# KiCad board k410t-devboard.kicad_pcb (continued)
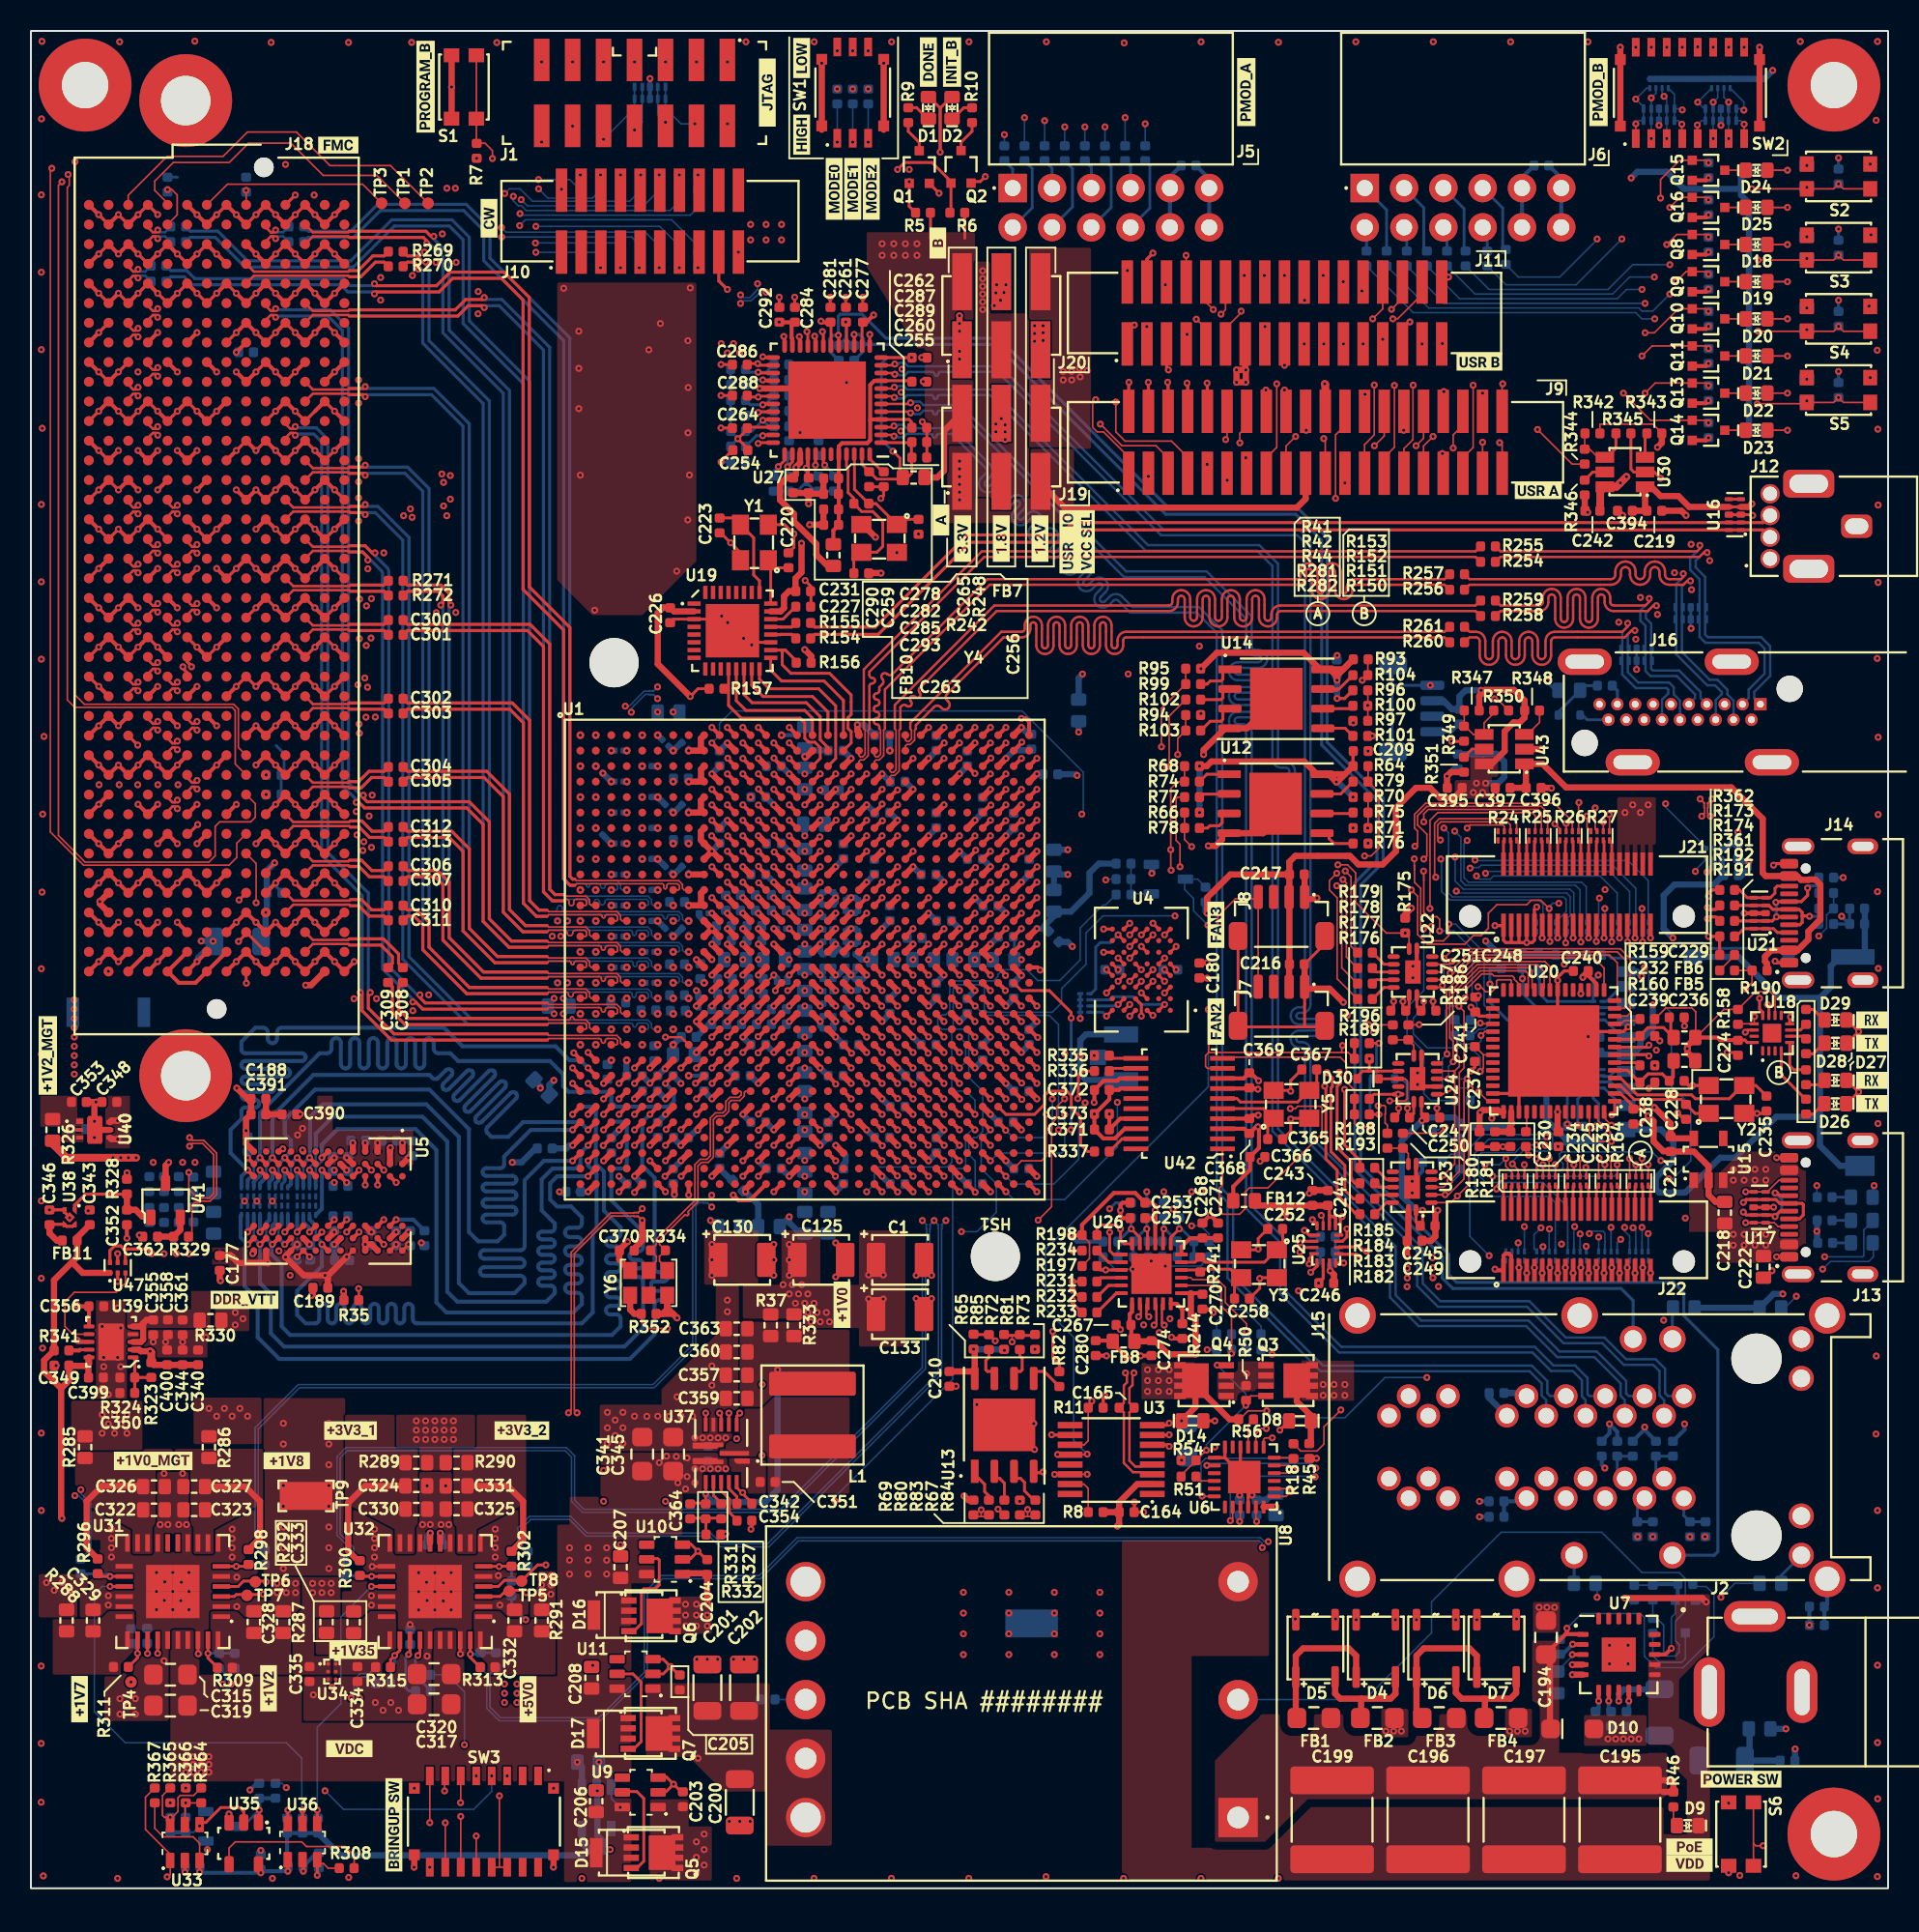
[diagram p0: board, top side]
## Library data of the parts (continued)
R36 R132 R133 = -: Description: Fixed Network Resistor, 10 kohm, Isolated, 4 Resistors, 0502 [1406 Metric], Flat, ± 5%; Author: Antmicro; License: Apache-2.0; MPN: EXB-18V103JX; Manufacturer: Panasonic; Val: 4x10k_0201
R37 R285-R292 R326 R330 R333 = -: Description: SMD Chip Resistor; Author: Antmicro; License: Apache-2.0; MPN: PMR03EZPJ000; Manufacturer: ROHM Semiconductor; Max. Curr.: 22.4A; Tolerance: template_tolerance; Val: 0R
R38 R50 R168 R264 R341 R353-R360 = -: Description: SMD Chip Resistor, 100 kohm, ± 1%, 62.5 mW, 0402 [1005 Metric], Thick Film, General Purpose; Author: Antmicro; License: Apache-2.0; MPN: CR0402-FX-1003GLF; Manufacturer: Bourns; Tolerance: 1%; Val: 100k
R39 R181 R187 R295 R297 R299 R301 R303-R307 R310 R312 R314 R316 R317 R319 R320 R342 R347 R363-R366 = -: Description: SMD Chip Resistor, Jumper, 0 ohm, 100 mW, 0402 [1005 Metric], Thick Film, General Purpose; Author: Antmicro; Current: 1A; DNP: DNP; License: Apache-2.0; MPN: ERJ2GE0R00X; Manufacturer: Panasonic; Val: 0R
R40 R43 = -: Description: SMD Chip Resistor, Ceramic, 40.2 ohm, ± 1%, 62.5 mW, 0402 [1005 Metric], Thick Film; Author: Antmicro; License: Apache-2.0; MPN: CR0402-FX-40R2GLF; Manufacturer: Bourns; Tolerance: 1%; Val: 40R2
R45 R56-R59 R106-R111 R128-R131 R198 R240 R338 = -: Description: SMD Chip Resistor, 1 kohm, ± 1%, 63 mW, 0402 [1005 Metric], Thick Film, General Purpose; Author: Antmicro; License: Apache-2.0; MPN: CR0402-FX-1001GLF; Manufacturer: Bourns; Tolerance: 1%; Val: 1k
R46 R166 R175 R284 R293 R294 R318 R321 R322 R367 = -: Description: SMD Chip Resistor, 47 kohm, ± 1%, 62.5 mW, 0402 [1005 Metric], Thick Film, General Purpose; Author: Antmicro; License: Apache-2.0; MPN: CR0402-FX-4702GLF; Manufacturer: Bourns; Tolerance: 1%; Val: 47k
R47 = -: Description: SMT Chip Resistor, 1.3 kohm, ± 1%, 250 mW, 1206 [3216 Metric], Thick Film, General Purpose; Author: Antmicro; License: Apache-2.0; MPN: CR1206-JW-132ELF; Manufacturer: Bourns; Tolerance: 1%; Val: 1k3
R48 = -: Description: SMD Chip Resistor, 49.9 kohm, ± 1%, 63 mW, 0402 [1005 Metric], Thick Film, General Purpose; Author: Antmicro; License: Apache-2.0; MPN: CR0402-FX-4992GLF; Manufacturer: Bourns; Tolerance: 1%; Val: 49k9
R51 = -: Description: SMD Chip Resistor, 22 kohm, ± 1%, 62.5 mW, 0402 [1005 Metric], Thick Film, General Purpose; Author: Antmicro; License: Apache-2.0; MPN: CR0402-FX-2202GLF; Manufacturer: Bourns; Tolerance: 1%; Val: 22k
R52 = -: Description: SMD Chip Resistor; Author: Antmicro; License: Apache-2.0; MPN: CR0603-FX-63R4ELF; Manufacturer: Bourns; Tolerance: 1%; Val: 63R4
R53 = -: Description: SMD Chip Resistor, 1.2 kohm, ± 1%, 62.5 mW, 0402 [1005 Metric], Thick Film, General Purpose; Author: Antmicro; License: Apache-2.0; MPN: CR0402-FX-1201GLF; Manufacturer: Bourns; Tolerance: 1%; Val: 1k2
R55 = -: Description: SMD Chip Resistor, 24.9 kohm, ± 1%, 63 mW, 0402 [1005 Metric], Thick Film, General Purpose; Author: Antmicro; License: Apache-2.0; MPN: CR0402-FX-2492GLF; Manufacturer: Bourns; Tolerance: 1%; Val: 24k9
R70-R73 R96 R97 = -: Description: SMD Chip Resistor, 100 ohm, ± 1%, 62.5 mW, 0402 [1005 Metric], Thick Film, General Purpose; Author: Antmicro; DNP: DNP; License: Apache-2.0; MPN: CR0402-FX-1000GLF; Manufacturer: Bourns; Tolerance: 1%; Val: 100R
R154 R155 R161-R164 R173 R174 R176-R179 R182-R185 R269-R276 = -: Description: SMD Chip Resistor, 33 ohm, ± 1%, 62.5 mW, 0402 [1005 Metric], Thick Film, General Purpose; Author: Antmicro; License: Apache-2.0; MPN: CR0402-FX-33R0GLF; Manufacturer: Bourns; Tolerance: 1%; Val: 33R
R160 R244 R248 R346 = -: Description: SMD Chip Resistor, 12 kohm, ± 1%, 62.5 mW, 0402 [1005 Metric], Thick Film, General Purpose; Author: Antmicro; License: Apache-2.0; MPN: CR0402-FX-1202GLF; Manufacturer: Bourns; Tolerance: 1%; Val: 12k
R169 R170 = -: Description: SMD Chip Resistor, 15 kohm, ± 1%, 62.5 mW, 0402 [1005 Metric], Thick Film, General Purpose; Author: Antmicro; DNP: DNP; License: Apache-2.0; MPN: CR0402-FX-1502GLF; Manufacturer: Bourns; Tolerance: 1%; Val: 15k
R171 = -: Description: SMD Chip Resistor, 1.5 kohm, ± 1%, 62.5 mW, 0402 [1005 Metric], Thick Film, General Purpose; Author: Antmicro; License: Apache-2.0; MPN: CR0402-FX-1501GLF; Manufacturer: Bourns; Tolerance: 1%; Val: 1k5
R172 = -: Description: SMD Chip Resistor, 1.5 kohm, ± 1%, 62.5 mW, 0402 [1005 Metric], Thick Film, General Purpose; Author: Antmicro; DNP: DNP; License: Apache-2.0; MPN: CR0402-FX-1501GLF; Manufacturer: Bourns; Tolerance: 1%; Val: 1k5
R193 R196 R267 R268 R325 = -: Description: SMD Chip Resistor, 4.7 kohm, ± 1%, 62.5 mW, 0402 [1005 Metric], Thick Film, General Purpose; Author: Antmicro; License: Apache-2.0; MPN: CR0402-FX-4701GLF; Manufacturer: Bourns; Tolerance: 1%; Val: 4k7
R209 R210 R214-R216 R218 R225-R228 = -: Description: SMD Chip Resistor, 2.2 kohm, ± 1%, 62.5 mW, 0402 [1005 Metric], Thick Film, General Purpose; Author: Antmicro; DNP: DNP; License: Apache-2.0; MPN: CR0402-FX-2201GLF; Manufacturer: Bourns; Tolerance: 1%; Val: 2k2
R211-R213 R217 R229 R230 R351 = -: Description: SMD Chip Resistor, 2.2 kohm, ± 1%, 62.5 mW, 0402 [1005 Metric], Thick Film, General Purpose; Author: Antmicro; License: Apache-2.0; MPN: CR0402-FX-2201GLF; Manufacturer: Bourns; Tolerance: 1%; Val: 2k2
R231-R238 R246 = -: Description: SMD Chip Resistor, 10 ohm, ± 1%, 62.5 mW, 0402 [1005 Metric], Thick Film, General Purpose; Author: Antmicro; License: Apache-2.0; MPN: CR0402-FX-10R0GLF; Manufacturer: Bourns; Tolerance: 1%; Val: 10R
R241 R242 = -: Description: SMD Chip Resistor, 1 Mohm, ± 1%, 62.5 mW, 0402 [1005 Metric], Thick Film, General Purpose; Author: Antmicro; License: Apache-2.0; MPN: CR0402-FX-1004GLF; Manufacturer: Bourns; Tolerance: 1%; Val: 1M
R245 R247 R249 R250 = -: Description: SMD Chip Resistor, 49.9 ohm, ± 1%, 62.5 mW, 0402 [1005 Metric], Thick Film, General Purpose; Author: Antmicro; License: Apache-2.0; MPN: CR0402-FX-49R9GLF; Manufacturer: Bourns; Tolerance: 1%; Val: 49R9
R251 R252 R262 R263 = -: Description: SMD Chip Resistor, 220 ohm, ± 1%, 100 mW, 0603 [1608 Metric], Thick Film, General Purpose; Author: Antmicro; License: Apache-2.0; MPN: CR0603-FX-2200ELF; Manufacturer: Bourns; Tolerance: 1%; Val: 220R
R277 = -: Description: SMD Chip Resistor, 100 kohm, ± 1%, 62.5 mW, 0402 [1005 Metric], Thick Film, General Purpose; Author: Antmicro; DNP: DNP; License: Apache-2.0; MPN: CR0402-FX-1003GLF; Manufacturer: Bourns; Tolerance: 1%; Val: 100k
R283 = -: Description: SMD Chip Resistor, 47 kohm, ± 1%, 62.5 mW, 0402 [1005 Metric], Thick Film, General Purpose; Author: Antmicro; DNP: DNP; License: Apache-2.0; MPN: CR0402-FX-4702GLF; Manufacturer: Bourns; Tolerance: 1%; Val: 47k
R331 = -: Description: SMD Chip Resistor, 80.6 kohm, ± 1%, 100 mW, 0402 [1005 Metric], Thick Film, Precision; Author: Antmicro; License: Apache-2.0; MPN: CR0402-FX-8062GLF; Manufacturer: Bourns; Tolerance: 1%; Val: 80k6
R332 = -: Description: SMD Chip Resistor; Author: Antmicro; License: Apache-2.0; MPN: CR0402-FX-2053GLF; Manufacturer: Bourns; Tolerance: 1%; Val: 205k
R335-R337 = -: Description: SMD Chip Resistor, 22 ohm, ± 1%, 62.5 mW, 0402 [1005 Metric], Thick Film, General Purpose; Author: Antmicro; License: Apache-2.0; MPN: CR0402-FX-22R0GLF; Manufacturer: Bourns; Tolerance: 1%; Val: 22R
R339 R340 = -: Description: SMD Chip Resistor, 80.6 ohm, ± 1%, 62.5 mW, 0402 [1005 Metric], Thick Film, General Purpose; Author: Antmicro; License: Apache-2.0; MPN: MC00625W0402180R6; Manufacturer: Multicomp Pro; Tolerance: 1%; Val: 80R6
R361 R362 = -: Description: SMD Chip Resistor, 5.1 kohm, ± 1%, 63 mW, 0402 [1005 Metric], Thick Film, General Purpose; Author: Antmicro; License: Apache-2.0; MPN: CR0402-FX-5101GLF; Manufacturer: Bourns; Tolerance: 1%; Val: 5k1
S1-S6 = -: Description: Tactile Switch, KMR 2 Series, Top Actuated, Surface Mount, Oval Button, 120 gf, 50mA at 32VDC; Author: Antmicro; License: Apache-2.0; MPN: KMR211NGLFS; Manufacturer: C&K
SW1 = -: Description: Slide switch; Author: Antmicro; License: Apache-2.0; Manufacturer: Nidec Components
SW2 SW3 = -: Description: DIP / SIP Switch, 8 Circuits, Slide, Surface Mount, SPST, 6 V, 100 mA; Author: Antmicro; License: Apache-2.0; MPN: CVS-08TB; Manufacturer: Nidec Components
TP1-TP8 = -: Description: SMT test point; Author: Antmicro; License: Apache-2.0
TP9 TP10 = -: Description: Circuit Probe Pad, SMD, Test Point, 1206; Author: Antmicro; License: Apache-2.0; MPN: RCW-0C; Manufacturer: TE Connectivity
U1 = -: Description: FPGA, Kintex-7, MMCM, PLL, 350 I/O's, 710 MHz, 406720 Cells, 970 mV to 1.03 V, FCBGA-900; Author: Antmicro; License: Apache-2.0; Manufacturer: AMD-Xilinx
U2 U16 U17 U21 U28 U29 U45 U46 = -: Description: ESD protection; Author: Antmicro; License: Apache-2.0; Manufacturer: Texas Instruments
U3 = -: Description: Temperature sensor; Author: Antmicro; License: Apache-2.0; Manufacturer: Maxim Integrated Products
U4 = -: Description: SRAM, Asynchronous SRAM, 8 Mbit, TFBGA, 48 Pins, 2.7 V; Author: Antmicro; License: Apache-2.0; Manufacturer: Alliance Memory
U5 = -: Description: SDRAM - DDR3L Memory IC 4Gbit Parallel 933 MHz 20 ns 78-FBGA (8x10.5); Author: Antmicro; License: Apache-2.0; MPN: MT41K512M8DA-107 XIT:P TR; Manufacturer: Micron Technology
U6 = -: Description: USB Controller USB 2.0 I2C Interface 24-QFN (4x4); Author: Antmicro; License: Apache-2.0; MPN: STUSB4500QTR; Manufacturer: STMicroelectronics
U7 = -: Description: PoE interface; Author: Antmicro; License: Apache-2.0; Manufacturer: Texas Instruments
U8 = -: Description: DC/DC converter; Author: Antmicro; License: Apache-2.0; MPN: ULS-12/8.3-D48N-C; Manufacturer: Murata
U9-U11 = -: Description: Ideal diode controller; Author: Antmicro; License: Apache-2.0; MPN: LTC4412IS6#TRMPBF; Manufacturer: Analog Devices
U12 = -: Description: Flash Memory, Serial NOR, 256 Mbit, 32M x 8bit, SPI, MLP, 8 Pins; Author: Antmicro; License: Apache-2.0; Manufacturer: Micron Technology
U13 U14 = -: Description: Flash Memory, Serial NOR, 256 Mbit, 32M x 8bit, SPI, MLP, 8 Pins; Author: Antmicro; DNP: DNP; License: Apache-2.0; Manufacturer: Micron Technology
U15 U44 = -: Description: Linear Voltage Regulator IC Positive Fixed 1 Output 300mA TSOT-23-5; Author: Antmicro; License: Apache-2.0; Manufacturer: ON Semiconductor
U18 = -: Description: Shift Register, 74HC595, Serial to Parallel, 1 Element, 8 bit, X1QFN, 16 Pins; Author: Antmicro; License: Apache-2.0; MPN: SN74HC595BRWNR; Manufacturer: Texas Instruments
U19 = -: Description: USB Interface, ESD-Protected USB Peripheral/Host Controller, USB 2.0, 3 V, 3.6 V, TQFN, 32 Pins; Author: Antmicro; License: Apache-2.0; Manufacturer: Maxim Integrated Products
U20 = -: Description: Interface Bridges, USB to UART, MPSSE, 1.62 V, 1.98 V, VQFN, 56 Pins, -40 °C; Author: Antmicro; License: Apache-2.0; MPN: FT4232H-56Q-REEL; Manufacturer: FTDI Chip
U22-U24 = -: Description: Logic translator/level shifter; Author: Antmicro; License: Apache-2.0; Manufacturer: Texas Instruments
U25 = -: Description: 1/1 Transceiver Half USB 2.0 16-UQFN; Author: Antmicro; License: Apache-2.0; Manufacturer: Texas Instruments
U26 = -: Description: Ethernet Controller, 100 Mbps, IEEE 802.3, IEEE 802.3u, 3 V, 3.6 V, SQFN, 24 Pins; Author: Antmicro; License: Apache-2.0; Manufacturer: Microchip Technology
U27 = -: Description: Ethernet ICs Gigabit Ethernet Transceiver with RGMII support; Author: Antmicro; License: Apache-2.0; Manufacturer: Microchip Technology
U30 U43 = -: Description: Power Load Distribution Switch, High Side, Active High, 1 Output, 5.5 V, 3.6 A, 0.04 ohm, TSOT-26-6; Author: Antmicro; License: Apache-2.0; MPN: AP22615AWU-7; Manufacturer: Diodes Incorporated
U31 U32 = -: Description: DC-DC Switching Synchronous Step-Down Regulator, Multi Output, 4-16V in, 1V/3.3V, 4.2/3A out, LGA33; Author: Antmicro; License: Apache-2.0; MPN: MPM54304GMN-0000; Manufacturer: Monolithic Power Systems
U33 = -: Description: Push Button On/Off Controller, Latched Output, 1.3 to 5.5 V Supply, 50 ms Debounce Time, SOT-23-6; Author: Antmicro; License: Apache-2.0; MPN: MAX16150AUT+T; Manufacturer: Maxim Integrated Products
U34 = -: Description: Power Load Switch, High Side, Active High, 1 Output, 0.012 ohm On State, 5.5 V supp, 3 A, WLCSP-6; Author: Antmicro; DNP: DNP; License: Apache-2.0; Manufacturer: ON Semiconductor
U35 = -: Description: Buffer, 74LVC1G125, 1.65 V to 5.5 V, SOT-23-5; Author: Antmicro; License: Apache-2.0; MPN: SN74LVC1G125DBVR; Manufacturer: Texas Instruments
U36 = -: Description: Power sequencer; Author: Antmicro; License: Apache-2.0; MPN: LM3880MFX-1AA/NOPB; Manufacturer: Texas Instruments
U37 = -: Description: DC-DC Switching Synchronous Buck Regulator, 2.85V-18V in, 600mV to 5.5V out, 12A, 500kHz, QFN-14; Author: Antmicro; License: Apache-2.0; MPN: MP8869SGL-P; Manufacturer: Monolithic Power Systems
U38 = -: Description: Linear voltage regulator; Author: Antmicro; License: Apache-2.0; Manufacturer: Texas Instruments
U39 = -: Description: Fixed LDO Voltage Regulator, 2.375V to 5.5V, 1.2 V Drop, 750 mV/3A out, DFN-10 Pins; Author: Antmicro; License: Apache-2.0; Manufacturer: ON Semiconductor
U40 = -: Description: LDO Voltage Regulator, Adjustable, 1.7 V to 6 V in, 350 mV Drop, 1.188-1.212 V/2 A out, USP-6C-6; Author: Antmicro; License: Apache-2.0; Manufacturer: Torex Semiconductor
U41 = -: Description: Voltage Reference, Low Power, Low Dropout, Series; Author: Antmicro; License: Apache-2.0; Manufacturer: Texas Instruments
U42 = -: Description: Clock generator/frequency synthesizer (PLL); Author: Antmicro; License: Apache-2.0; Manufacturer: Texas Instruments
U47 U48 = -: Description: Transceiver, Translating, 74LVC1T45, 74LVC Family, 1.2V to 5.5V Supply, XSON-6; Author: Antmicro; License: Apache-2.0; MPN: 74LVC1T45GM-Q100X; Manufacturer: Nexperia
Y1 Y2 Y5 = -: Description: Crystal, 12 MHz, SMT, 3.2mm x 2.5mm, 30 ppm, 18 pF, 20 ppm, ABM8G; Author: Antmicro; License: Apache-2.0; MPN: ABM8G-12.000MHZ-18-D2Y-T; Manufacturer: Abracon; Val: 12 MHz
Y3 Y4 = -: Description: Crystal, 25 MHz, SMD, 3.2mm x 2.5mm, 30 ppm, 18 pF, 20 ppm, ABM8G; Author: Antmicro; License: Apache-2.0; MPN: ABM8G-25.000MHZ-18-D2Y-T3; Manufacturer: Abracon; Val: 25 MHz
Y6 = -: Description: 150 MHz XO (Standard) LVDS Oscillator 1.8V Enable/Disable 6-SMD, No Lead; Author: Antmicro; License: Apache-2.0; MPN: AX3DCF1-200.0000; Manufacturer: Abracon; Val: 200 MHz

## Footprints (pads in the part's own frame, mm; a bottom-side part is the same pattern mirrored in y, then rotated)
0895-2C1R-GVH
  round 3.251 hole 3.251 unplated: (-5.715,0) (5.714,0)
  round 1.524 hole 1.016: 1_1(-3.302,4.699) 1_2(3.301,4.699) 2_1(-2.032,5.97) 2_2(2.031,5.97) 3_1(-3.302,7.239) 3_2(3.301,7.239) 4_1(-2.032,8.51) 4_2(2.031,8.51) 5_1(-3.302,9.779) 5_2(3.301,9.779) 6_1(-2.032,11.049) 6_2(2.031,11.049) 7_1(-3.302,12.321) 7_2(3.301,12.321) 8_1(-2.032,13.59) 8_2(2.031,13.59) 9_1(-3.302,14.859) 9_2(3.301,14.859) 10_1(-2.032,16.13) 10_2(2.031,16.13) 11_1(-3.302,19.939) 11_2(3.301,19.939) 12_1(-2.032,21.209) 12_2(2.031,21.209) 13_1(-3.302,22.479) 13_2(3.301,22.479) 14_1(-2.032,23.749) 14_2(2.031,23.749)
  round 1.62 hole 1.143: 15_1(-6.986,-2.894) 16_1(-4.446,-2.894) 17_1(4.445,-2.894) 18_1(6.985,-2.894)
  round 1.714 hole 1.143: 15_2(-6.986,11.786) 16_2(-6.986,5.436) 17_2(6.985,7.976) 18_2(6.985,5.436)
  round 2.362 hole 1.575: SH(-8.51,25.781) SH(-8.51,15.494) SH(-8.51,-4.57) SH(8.509,25.781) SH(8.509,11.43) SH(8.509,-4.57)
Alliance_TFBGA-48
  round 0.33 smd: A1(-1.875,2.625) A2(-1.125,2.625) A3(-0.375,2.625) A4(0.372,2.625) A5(1.124,2.625) A6(1.874,2.625) B1(-1.875,1.875) B2(-1.125,1.875) B3(-0.375,1.875) B4(0.372,1.875) B5(1.124,1.875) B6(1.874,1.875) C1(-1.875,1.125) C2(-1.125,1.125) C3(-0.375,1.125) C4(0.372,1.125) C5(1.124,1.125) C6(1.874,1.125) D1(-1.875,0.375) D2(-1.125,0.375) D3(-0.375,0.375) D4(0.372,0.375) D5(1.124,0.375) D6(1.874,0.375) E1(-1.875,-0.372) E2(-1.125,-0.372) E3(-0.375,-0.372) E4(0.372,-0.372) E5(1.124,-0.372) E6(1.874,-0.372) F1(-1.875,-1.124) F2(-1.125,-1.124) F3(-0.375,-1.124) F4(0.372,-1.124) F5(1.124,-1.124) F6(1.874,-1.124) G1(-1.875,-1.874) G2(-1.125,-1.874) G3(-0.375,-1.874) G4(0.372,-1.874) G5(1.124,-1.874) G6(1.874,-1.874) H1(-1.875,-2.624) H2(-1.125,-2.624) H3(-0.375,-2.624) H4(0.372,-2.624) H5(1.124,-2.624) H6(1.874,-2.624)
ASP-184329-01_mounting_holes
  round 6 hole 3.2 unplated: (-31.5,2) (31.499,2)
  round 1.27 hole 1.27 unplated: (-27.191,0) (27.19,-3.048)
  round 0.64 smd: A01(24.765,-5.714) A02(23.495,-5.714) A03(22.225,-5.714) A04(20.954,-5.714) A05(19.684,-5.714) A06(18.414,-5.714) A07(17.144,-5.714) A08(15.874,-5.714) A09(14.605,-5.714) A10(13.335,-5.714) A11(12.063,-5.714) A12(10.794,-5.714) A13(9.525,-5.714) A14(8.255,-5.714) A15(6.985,-5.714) A16(5.714,-5.714) A17(4.445,-5.714) A18(3.173,-5.714) A19(1.904,-5.714) A20(0.633,-5.714) A21(-0.635,-5.714) A22(-1.905,-5.714) A23(-3.176,-5.714) A24(-4.446,-5.714) A25(-5.715,-5.714) A26(-6.986,-5.714) A27(-8.257,-5.714) A28(-9.526,-5.714) A29(-10.795,-5.714) A30(-12.065,-5.714) A31(-13.337,-5.714) A32(-14.606,-5.714) A33(-15.875,-5.714) A34(-17.145,-5.714) A35(-18.415,-5.714) A36(-19.685,-5.714) A37(-20.956,-5.714) A38(-22.226,-5.714) A39(-23.497,-5.714) A40(-24.767,-5.714) B01(24.765,-4.445) B02(23.495,-4.445) B03(22.225,-4.445) B04(20.954,-4.445) B05(19.684,-4.445) B06(18.414,-4.445) B07(17.144,-4.445) B08(15.874,-4.445) B09(14.605,-4.445) B10(13.335,-4.445) B11(12.063,-4.445) B12(10.794,-4.445) B13(9.525,-4.445) B14(8.255,-4.445) B15(6.985,-4.445) B16(5.714,-4.445) B17(4.445,-4.445) B18(3.173,-4.445) B19(1.904,-4.445) B20(0.633,-4.445) B21(-0.635,-4.445) B22(-1.905,-4.445) B23(-3.176,-4.445) B24(-4.446,-4.445) B25(-5.715,-4.445) B26(-6.986,-4.445) B27(-8.257,-4.445) B28(-9.526,-4.445) B29(-10.795,-4.445) B30(-12.065,-4.445) B31(-13.337,-4.445) B32(-14.606,-4.445) B33(-15.875,-4.445) B34(-17.145,-4.445) B35(-18.415,-4.445) B36(-19.685,-4.445) B37(-20.956,-4.445) B38(-22.226,-4.445) B39(-23.497,-4.445) B40(-24.767,-4.445) C01(24.765,-3.173) C02(23.495,-3.173) C03(22.225,-3.173) C04(20.954,-3.173) C05(19.684,-3.173) C06(18.414,-3.173) C07(17.144,-3.173) C08(15.874,-3.173) C09(14.605,-3.173) C10(13.335,-3.173) C11(12.063,-3.173) C12(10.794,-3.173) C13(9.525,-3.173) C14(8.255,-3.173) C15(6.985,-3.173) C16(5.714,-3.173) C17(4.445,-3.173) C18(3.173,-3.173) C19(1.904,-3.173) C20(0.633,-3.173) C21(-0.635,-3.173) C22(-1.905,-3.173) C23(-3.176,-3.173) C24(-4.446,-3.173) C25(-5.715,-3.173) C26(-6.986,-3.173) C27(-8.257,-3.173) C28(-9.526,-3.173) C29(-10.795,-3.173) C30(-12.065,-3.173) C31(-13.337,-3.173) C32(-14.606,-3.173) C33(-15.875,-3.173) C34(-17.145,-3.173) C35(-18.415,-3.173) C36(-19.685,-3.173) C37(-20.956,-3.173) C38(-22.226,-3.173) C39(-23.497,-3.173) C40(-24.767,-3.173) D01(24.765,-1.904) D02(23.495,-1.904) D03(22.225,-1.904) D04(20.954,-1.904) D05(19.684,-1.904) D06(18.414,-1.904) D07(17.144,-1.904) D08(15.874,-1.904) D09(14.605,-1.904) D10(13.335,-1.904) D11(12.063,-1.904) D12(10.794,-1.904) D13(9.525,-1.904) D14(8.255,-1.904) D15(6.985,-1.904) D16(5.714,-1.904) D17(4.445,-1.904) D18(3.173,-1.904) D19(1.904,-1.904) D20(0.633,-1.904) D21(-0.635,-1.904) D22(-1.905,-1.904) D23(-3.176,-1.904) D24(-4.446,-1.904) D25(-5.715,-1.904) D26(-6.986,-1.904) D27(-8.257,-1.904) D28(-9.526,-1.904) D29(-10.795,-1.904) D30(-12.065,-1.904) D31(-13.337,-1.904) D32(-14.606,-1.904) D33(-15.875,-1.904) D34(-17.145,-1.904) D35(-18.415,-1.904) D36(-19.685,-1.904) D37(-20.956,-1.904) D38(-22.226,-1.904) D39(-23.497,-1.904) D40(-24.767,-1.904) E01(24.765,-0.633) E02(23.495,-0.633) E03(22.225,-0.633) E04(20.954,-0.633) E05(19.684,-0.633) E06(18.414,-0.633) E07(17.144,-0.633) E08(15.874,-0.633) E09(14.605,-0.633) E10(13.335,-0.633) E11(12.063,-0.633) E12(10.794,-0.633) E13(9.525,-0.633) E14(8.255,-0.633) E15(6.985,-0.633) E16(5.714,-0.633) E17(4.445,-0.633) E18(3.173,-0.633) E19(1.904,-0.633) E20(0.633,-0.633) E21(-0.635,-0.633) E22(-1.905,-0.633) E23(-3.176,-0.633) E24(-4.446,-0.633) E25(-5.715,-0.633) E26(-6.986,-0.633) E27(-8.257,-0.633) E28(-9.526,-0.633) E29(-10.795,-0.633) E30(-12.065,-0.633) E31(-13.337,-0.633) E32(-14.606,-0.633) E33(-15.875,-0.633) E34(-17.145,-0.633) E35(-18.415,-0.633) E36(-19.685,-0.633) E37(-20.956,-0.633) E38(-22.226,-0.633) E39(-23.497,-0.633) E40(-24.767,-0.633) F01(24.765,0.635) F02(23.495,0.635) F03(22.225,0.635) F04(20.954,0.635) F05(19.684,0.635) F06(18.414,0.635) F07(17.144,0.635) F08(15.874,0.635) F09(14.605,0.635) F10(13.335,0.635) F11(12.063,0.635) F12(10.794,0.635) F13(9.525,0.635) F14(8.255,0.635) F15(6.985,0.635) F16(5.714,0.635) F17(4.445,0.635) F18(3.173,0.635) F19(1.904,0.635) F20(0.633,0.635) F21(-0.635,0.635) F22(-1.905,0.635) F23(-3.176,0.635) F24(-4.446,0.635) F25(-5.715,0.635) F26(-6.986,0.635) F27(-8.257,0.635) F28(-9.526,0.635) F29(-10.795,0.635) F30(-12.065,0.635) F31(-13.337,0.635) F32(-14.606,0.635) F33(-15.875,0.635) F34(-17.145,0.635) F35(-18.415,0.635) F36(-19.685,0.635) F37(-20.956,0.635) F38(-22.226,0.635) F39(-23.497,0.635) F40(-24.767,0.635) G01(24.765,1.905) G02(23.495,1.905) G03(22.225,1.905) G04(20.954,1.905) G05(19.684,1.905) G06(18.414,1.905) G07(17.144,1.905) G08(15.874,1.905) G09(14.605,1.905) G10(13.335,1.905) G11(12.063,1.905) G12(10.794,1.905) G13(9.525,1.905) G14(8.255,1.905) G15(6.985,1.905) G16(5.714,1.905) G17(4.445,1.905) G18(3.173,1.905) G19(1.904,1.905) G20(0.633,1.905) G21(-0.635,1.905) G22(-1.905,1.905) G23(-3.176,1.905) G24(-4.446,1.905) G25(-5.715,1.905) G26(-6.986,1.905) G27(-8.257,1.905) G28(-9.526,1.905) G29(-10.795,1.905) G30(-12.065,1.905) G31(-13.337,1.905) G32(-14.606,1.905) G33(-15.875,1.905) G34(-17.145,1.905) G35(-18.415,1.905) G36(-19.685,1.905) G37(-20.956,1.905) G38(-22.226,1.905) G39(-23.497,1.905) G40(-24.767,1.905) H01(24.765,3.176) H02(23.495,3.176) H03(22.225,3.176) H04(20.954,3.176) H05(19.684,3.176) H06(18.414,3.176) H07(17.144,3.176) H08(15.874,3.176) H09(14.605,3.176) H10(13.335,3.176) H11(12.063,3.176) H12(10.794,3.176) H13(9.525,3.176) H14(8.255,3.176) H15(6.985,3.176) H16(5.714,3.176) H17(4.445,3.176) H18(3.173,3.176) H19(1.904,3.176) H20(0.633,3.176) H21(-0.635,3.176) H22(-1.905,3.176) H23(-3.176,3.176) H24(-4.446,3.176) H25(-5.715,3.176) H26(-6.986,3.176) H27(-8.257,3.176) H28(-9.526,3.176) H29(-10.795,3.176) H30(-12.065,3.176) H31(-13.337,3.176) H32(-14.606,3.176) H33(-15.875,3.176) H34(-17.145,3.176) H35(-18.415,3.176) H36(-19.685,3.176) H37(-20.956,3.176) H38(-22.226,3.176) H39(-23.497,3.176) H40(-24.767,3.176) J01(24.765,4.446) J02(23.495,4.446) J03(22.225,4.446) J04(20.954,4.446) J05(19.684,4.446) J06(18.414,4.446) J07(17.144,4.446) J08(15.874,4.446) J09(14.605,4.446) J10(13.335,4.446) J11(12.063,4.446) J12(10.794,4.446) J13(9.525,4.446) J14(8.255,4.446) J15(6.985,4.446) J16(5.714,4.446) J17(4.445,4.446) J18(3.173,4.446) J19(1.904,4.446) J20(0.633,4.446) J21(-0.635,4.446) J22(-1.905,4.446) J23(-3.176,4.446) J24(-4.446,4.446) J25(-5.715,4.446) J26(-6.986,4.446) J27(-8.257,4.446) J28(-9.526,4.446) J29(-10.795,4.446) J30(-12.065,4.446) J31(-13.337,4.446) J32(-14.606,4.446) J33(-15.875,4.446) J34(-17.145,4.446) J35(-18.415,4.446) J36(-19.685,4.446) J37(-20.956,4.446) J38(-22.226,4.446) J39(-23.497,4.446) J40(-24.767,4.446) K01(24.765,5.715) K02(23.495,5.715) K03(22.225,5.715) K04(20.954,5.715) K05(19.684,5.715) K06(18.414,5.715) K07(17.144,5.715) K08(15.874,5.715) K09(14.605,5.715) K10(13.335,5.715) K11(12.063,5.715) K12(10.794,5.715) K13(9.525,5.715) K14(8.255,5.715) K15(6.985,5.715) K16(5.714,5.715) K17(4.445,5.715) K18(3.173,5.715) K19(1.904,5.715) K20(0.633,5.715) K21(-0.635,5.715) K22(-1.905,5.715) K23(-3.176,5.715) K24(-4.446,5.715) K25(-5.715,5.715) K26(-6.986,5.715) K27(-8.257,5.715) K28(-9.526,5.715) K29(-10.795,5.715) K30(-12.065,5.715) K31(-13.337,5.715) K32(-14.606,5.715) K33(-15.875,5.715) K34(-17.145,5.715) K35(-18.415,5.715) K36(-19.685,5.715) K37(-20.956,5.715) K38(-22.226,5.715) K39(-23.497,5.715) K40(-24.767,5.715) L01(24.765,6.986) L02(23.495,6.986) L03(22.225,6.986) L04(20.954,6.986) L05(19.684,6.986) L06(18.414,6.986) L07(17.144,6.986) L08(15.874,6.986) L09(14.605,6.986) L10(13.335,6.986) L11(12.063,6.986) L12(10.794,6.986) L13(9.525,6.986) L14(8.255,6.986) L15(6.985,6.986) L16(5.714,6.986) L17(4.445,6.986) L18(3.173,6.986) L19(1.904,6.986) L20(0.633,6.986) L21(-0.635,6.986) L22(-1.905,6.986) L23(-3.176,6.986) L24(-4.446,6.986) L25(-5.715,6.986) L26(-6.986,6.986) L27(-8.257,6.986) L28(-9.526,6.986) L29(-10.795,6.986) L30(-12.065,6.986) L31(-13.337,6.986) L32(-14.606,6.986) L33(-15.875,6.986) L34(-17.145,6.986) L35(-18.415,6.986) L36(-19.685,6.986) L37(-20.956,6.986) L38(-22.226,6.986) L39(-23.497,6.986) L40(-24.767,6.986) M01(24.765,8.257) M02(23.495,8.257) M03(22.225,8.257) M04(20.954,8.257) M05(19.684,8.257) M06(18.414,8.257) M07(17.144,8.257) M08(15.874,8.257) M09(14.605,8.257) M10(13.335,8.257) M11(12.063,8.257) M12(10.794,8.257) M13(9.525,8.257) M14(8.255,8.257) M15(6.985,8.257) M16(5.714,8.257) M17(4.445,8.257) M18(3.173,8.257) M19(1.904,8.257) M20(0.633,8.257) M21(-0.635,8.257) M22(-1.905,8.257) M23(-3.176,8.257) M24(-4.446,8.257) M25(-5.715,8.257) M26(-6.986,8.257) M27(-8.257,8.257) M28(-9.526,8.257) M29(-10.795,8.257) M30(-12.065,8.257) M31(-13.337,8.257) M32(-14.606,8.257) M33(-15.875,8.257) M34(-17.145,8.257) M35(-18.415,8.257) M36(-19.685,8.257) M37(-20.956,8.257) M38(-22.226,8.257) M39(-23.497,8.257) M40(-24.767,8.257) Y01(24.765,-8.255) Y02(23.495,-8.255) Y03(22.225,-8.255) Y04(20.954,-8.255) Y05(19.684,-8.255) Y06(18.414,-8.255) Y07(17.144,-8.255) Y08(15.874,-8.255) Y09(14.605,-8.255) Y10(13.335,-8.255) Y11(12.063,-8.255) Y12(10.794,-8.255) Y13(9.525,-8.255) Y14(8.255,-8.255) Y15(6.985,-8.255) Y16(5.714,-8.255) Y17(4.445,-8.255) Y18(3.173,-8.255) Y19(1.904,-8.255) Y20(0.633,-8.255) Y21(-0.635,-8.255) Y22(-1.905,-8.255) Y23(-3.176,-8.255) Y24(-4.446,-8.255) Y25(-5.715,-8.255) Y26(-6.986,-8.255) Y27(-8.257,-8.255) Y28(-9.526,-8.255) Y29(-10.795,-8.255) Y30(-12.065,-8.255) Y31(-13.337,-8.255) Y32(-14.606,-8.255) Y33(-15.875,-8.255) Y34(-17.145,-8.255) Y35(-18.415,-8.255) Y36(-19.685,-8.255) Y37(-20.956,-8.255) Y38(-22.226,-8.255) Y39(-23.497,-8.255) Y40(-24.767,-8.255) Z01(24.765,-6.985) Z02(23.495,-6.985) Z03(22.225,-6.985) Z04(20.954,-6.985) Z05(19.684,-6.985) Z06(18.414,-6.985) Z07(17.144,-6.985) Z08(15.874,-6.985) Z09(14.605,-6.985) Z10(13.335,-6.985) Z11(12.063,-6.985) Z12(10.794,-6.985) Z13(9.525,-6.985) Z14(8.255,-6.985) Z15(6.985,-6.985) Z16(5.714,-6.985) Z17(4.445,-6.985) Z18(3.173,-6.985) Z19(1.904,-6.985) Z20(0.633,-6.985) Z21(-0.635,-6.985) Z22(-1.905,-6.985) Z23(-3.176,-6.985) Z24(-4.446,-6.985) Z25(-5.715,-6.985) Z26(-6.986,-6.985) Z27(-8.257,-6.985) Z28(-9.526,-6.985) Z29(-10.795,-6.985) Z30(-12.065,-6.985) Z31(-13.337,-6.985) Z32(-14.606,-6.985) Z33(-15.875,-6.985) Z34(-17.145,-6.985) Z35(-18.415,-6.985) Z36(-19.685,-6.985) Z37(-20.956,-6.985) Z38(-22.226,-6.985) Z39(-23.497,-6.985) Z40(-24.767,-6.985)
